# Altium PCB Accumulator Management.PcbDoc (part 1 of 2) (continued)
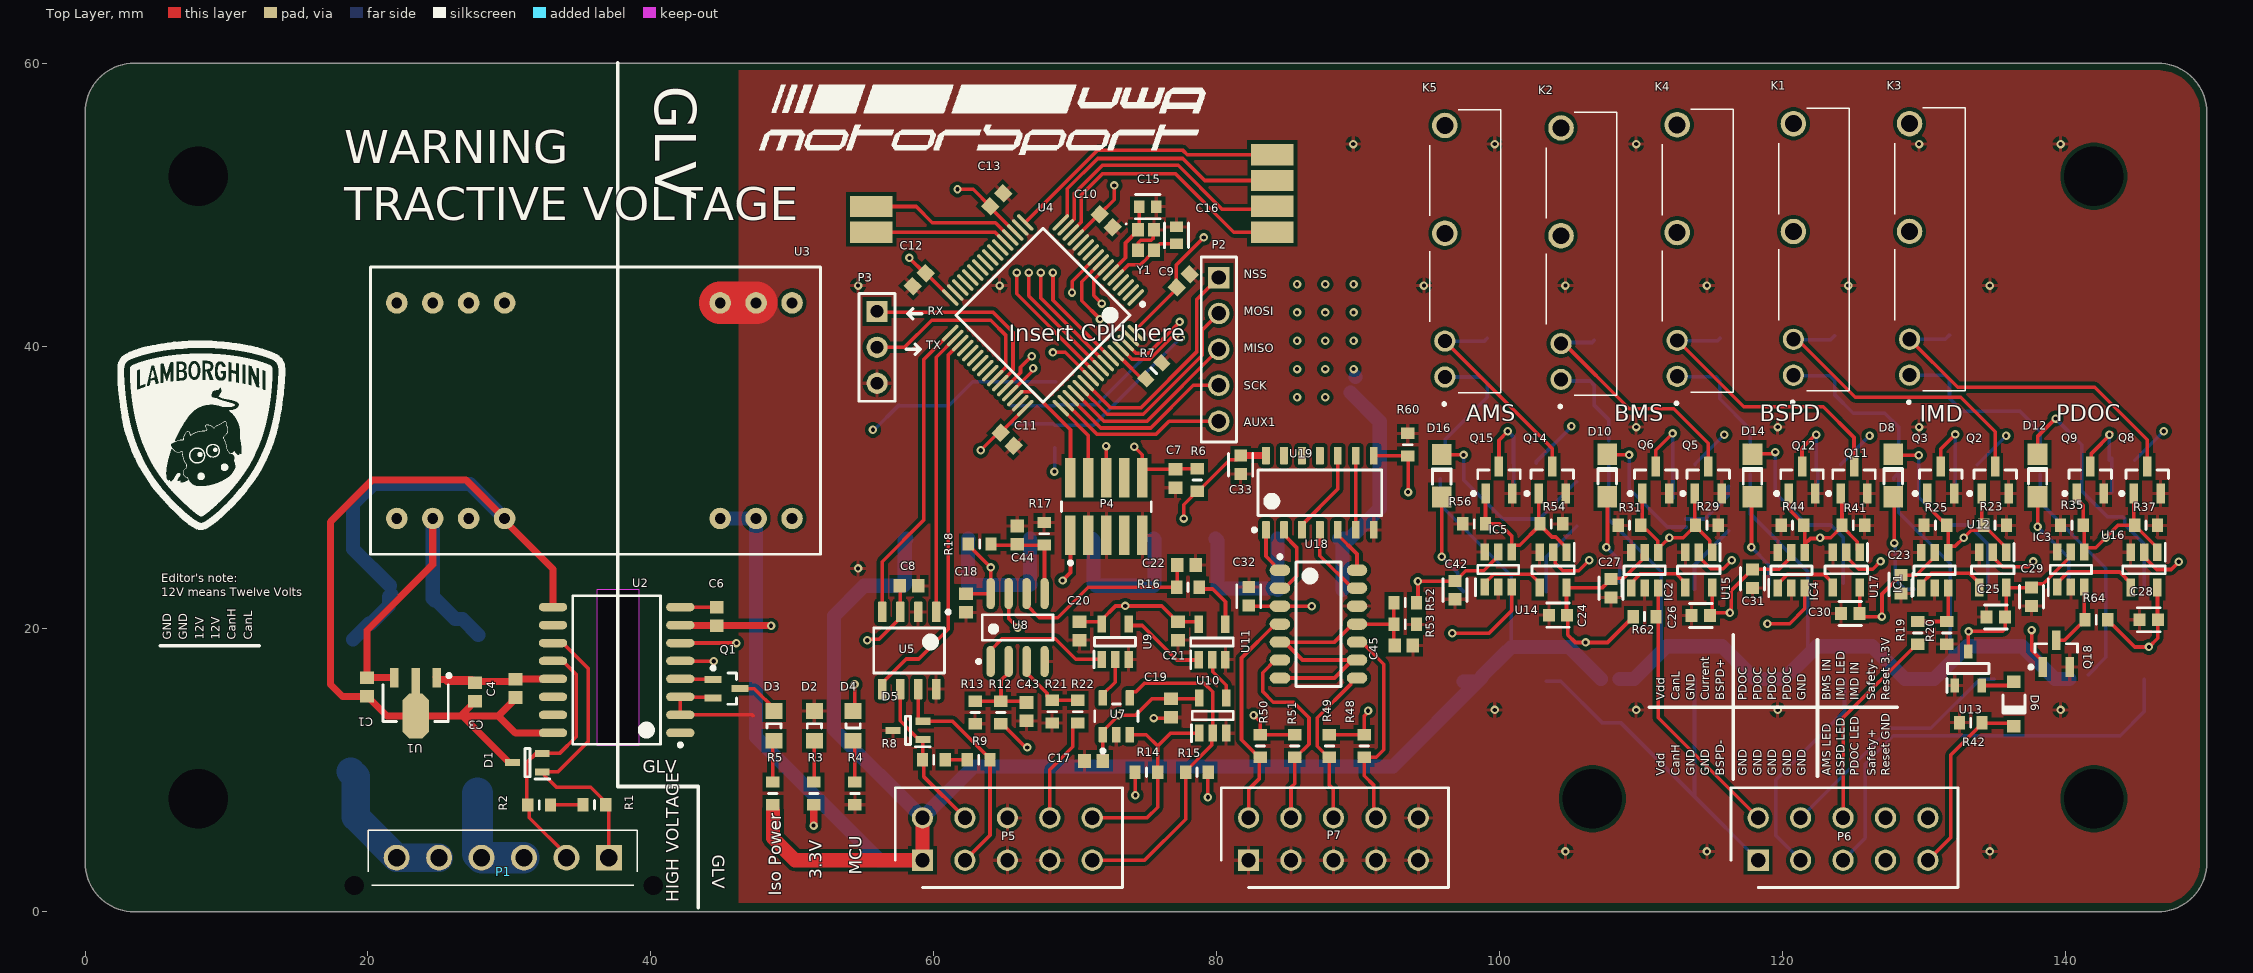
[diagram p0: Top Layer view]
## Components (designator, comment, footprint, x,y, rotation, side; value= is the part's Value field where it differs from the comment)
C1 "Cap" CAPC1608X95N 19.925,15.9 r90 top value=1uF
C2 "Cap" CAPC1608X95N 23.1,22.425 r180 bottom value=4.7uF
C3 "NP0" CAPC1608X95N 27.575,15.55 r270 top value=1uF
C4 "NP0" CAPC1608X95N 30.43,15.806 r270 top value=0.47uF
C5 "Cap" CAPC1608X95N 48.075,24.525 r0 bottom value=4.7uF
C6 "NP0" CAPC1608X95N 44.655,20.881 r90 top value=0.47uF
C7 "Cap" CAPC1608X95N 77.075,30.63 r90 top value=0.1uf
C8 "NP0" CAPC1608X95N 58.25,23.05 r180 top value=0.1uF
C9 "NP0" CAPC1608X95N 77.625,44.6 r225 top value=0.1uF
C10 "NP0" CAPC1608X95N 72.175,48.85 r135 top value=0.1uF
C11 "NP0" CAPC1608X95N 65.175,33.4 r135 top value=0.1uF
C12 "NP0" CAPC1608X95N 58.975,44.7 r45 top value=0.1uF
C13 "NP0" CAPC1608X95N 64.45,50.325 r225 top value=0.1uF
C14 "Cap" CAPC1608X95N 57.55,35.15 r90 bottom value=0.1uf
C15 "15pF" FP-C0603C-CF-MFG 75.125,49.85 r0 top value="15 pF"
C16 "15pF" FP-C0603C-CF-MFG 77.15,47.825 r90 top value="15 pF"
C17 "Cap" CAPC1608X95N 71.3,10.675 r0 top value=0.1uf
C18 "Cap" CAPC1608X95N 62.267,21.827 r90 top value=0.1uf
C19 "Cap" CAPC1608X95N 76.767,14.402 r90 top value=0.1uf
C20 "Cap" CAPC1608X95N 70.292,19.857 r90 top value=0.1uf
C21 "Cap" CAPC1608X95N 77.267,19.857 r90 top value=0.1uf
C22 "Cap" CAPC1608X95N 77.861,24.527 r180 top value=0.1uf
C23 "0.1uF" FP-C0603-CJ-MFG 128.375,23.15 r90 top value=100nF
C24 "0.1uF" FP-C0603-CJ-MFG 104.125,20.975 r0 top value=100nF
C25 "0.1uF" FP-C0603-CJ-MFG 135.075,20.85 r0 top value=100nF
C26 "0.1uF" FP-C0603-CJ-MFG 114.225,20.95 r0 top value=100nF
C27 "0.1uF" FP-C0603-CJ-MFG 107.875,22.875 r90 top value=100nF
C28 "0.1uF" FP-C0603-CJ-MFG 145.875,20.65 r0 top value=100nF
C29 "0.1uF" FP-C0603-CJ-MFG 137.6,22.275 r90 top value=100nF
C30 "0.1uF" FP-C0603-CJ-MFG 124.777,21.1 r0 top value=100nF
C31 "0.1uF" FP-C0603-CJ-MFG 117.875,23.55 r90 top value=100nF
C32 "0.1uF" FP-C0603-CJ-MFG 82.267,22.302 r90 top value=100nF
C33 "0.1uF" FP-C0603-CJ-MFG 81.692,31.602 r90 top value=100nF
C34 "0.47uF" CAPC1210(3225)210_M 58.062,27.975 r270 bottom value=10uF
C35 "0.47uF" CAPC1210(3225)210_M 66.805,27.975 r270 bottom value=10uF
C36 "0.47uF" CAPC1210(3225)210_M 75.548,27.975 r270 bottom value=10uF
C37 "0.47uF" CAPC1210(3225)210_M 84.292,27.975 r270 bottom value=10uF
C38 "NP" CAPC1210(3225)210_M 62.433,27.975 r270 bottom value=10uF
C39 "NP" CAPC1210(3225)210_M 71.177,27.975 r270 bottom value=10uF
C40 "NP" CAPC1210(3225)210_M 79.92,27.975 r270 bottom value=10uF
C41 "10uF" CAPC1210(3225)210_M 88.663,27.975 r270 bottom
C42 "0.1uF" FP-C0603-CJ-MFG 96.85,22.75 r90 top value=100nF
C43 "Cap" CAPC1608X95N 66.565,14.15 r90 top value=0.1uf
C44 "Cap" CAPC1608X95N 65.9,26.625 r270 top value=0.1uf
C45 "Cap" CAPC1608X95N 93.22,18.825 r180 top value=0.1uf
D1 "ESDCAN03-2BWY" SOT65P210X110-3N 31.275,10.55 r180 top
D2 "Green" 0805_A 51.55,13.15 r270 top
D3 "RED" 0805_A 48.7,13.15 r270 top
D4 "Green" 0805_A 54.3,13.15 r90 top
D5 "ESD" SOT65P210X110-3N 58.175,12.825 r180 top
D6 "1N4148" DIOD-SOD123-2_V 136.35,14.7 r270 top
D7 "1N4148" DIOD-SOD123-2_V 123.675,39.152 r270 bottom
D8 "LED" 1206_A 127.825,30.85 r270 top
D9 "1N4148" DIOD-SOD123-2_V 106.675,38.825 r270 bottom
D10 "LED" 1206_A 107.6,30.85 r270 top
D11 "1N4148" DIOD-SOD123-2_V 131.8,39.2 r270 bottom
D12 "LED" 1206_A 138.025,30.85 r270 top
D13 "1N4148" DIOD-SOD123-2_V 115.55,39.125 r270 bottom
D14 "LED" 1206_A 117.875,30.85 r270 top
D15 "1N4148" DIOD-SOD123-2_V 99.125,38.975 r270 bottom
D16 "LED" 1206_A 95.9,30.825 r270 top
D17 "1N4148" DIOD-SOD123-2_V 116.2,28.525 r90 bottom
D18 "1N4148" DIOD-SOD123-2_V 105.45,28.825 r90 bottom
F1 "FUSE-GENERIC" "HF461 Fuse" 27.8,14.9 r90 bottom
F2 "FUSE-GENERIC" "HF461 Fuse" 18.95,14.575 r90 bottom
IC1 "74LVC1G373DBVRE4" SOT95P280X145-6N 130.75,24.15 r90 top
IC2 "74LVC1G373DBVRE4" SOT95P280X145-6N 110.25,24.15 r90 top
IC3 "74LVC1G373DBVRE4" SOT95P280X145-6N 140.375,24.2 r90 top
IC4 "74LVC1G373DBVRE4" SOT95P280X145-6N 120.625,24.15 r90 top
IC5 "74LVC1G373DBVRE4" SOT95P280X145-6N 99.9,24.2 r90 top
K1 "PCN-112D3MHZ" PCN-112D3MHZ 119.594,24.676 r90 top
K2 "PCN-112D3MHZ" PCN-112D3MHZ 103.169,24.376 r90 top
K3 "PCN-112D3MHZ" PCN-112D3MHZ 127.807,24.681 r90 top
K4 "PCN-112D3MHZ" PCN-112D3MHZ 111.382,24.601 r90 top
K5 "PCN-112D3MHZ" PCN-112D3MHZ 94.957,24.551 r90 top
P1 "2-1445093-6" 214450936 19.03,3.83 r0 top
P2 "MTLW-105-05-T-S-190" SMTC-MTLW-105-05-X-S-190 80.15,44.842 r270 top
P3 "UART" HDR1X3 55.991,42.45 r270 top value=-
P4 "FTSH-105-01-F-DV-K" SMTC-FTSH-105-01-L-DV-K_V 72.2,28.65 r0 top
P5 "4-794632-0" SHDR10W82P300_2X5_1586X686X944P 59.2,3.65 r0 top
P6 "4-794632-0" SHDR10W82P300_2X5_1586X686X944P 118.275,3.65 r0 top
P7 "4-794632-0" SHDR10W82P300_2X5_1586X686X944P 82.25,3.65 r0 top
Q1 "BC848W" SOT323_N 45.355,15.781 r0 top
Q2 "BSS138BK,215" NXP-SOT23_N 135.025,30.525 r90 top
Q3 "BSS138BK,215" NXP-SOT23_N 131.175,30.525 r90 top
Q4 "BSS138BK,215" NXP-SOT23_N 133.125,28.725 r270 bottom
Q5 "BSS138BK,215" NXP-SOT23_N 114.75,30.525 r90 top
Q6 "BSS138BK,215" NXP-SOT23_N 111.025,30.525 r90 top
Q7 "BSS138BK,215" NXP-SOT23_N 113.175,28.725 r270 bottom
Q8 "BSS138BK,215" NXP-SOT23_N 145.775,30.525 r90 top
Q9 "BSS138BK,215" NXP-SOT23_N 141.75,30.525 r90 top
Q10 "BSS138BK,215" NXP-SOT23_N 144.2,28.725 r270 bottom
Q11 "BSS138BK,215" NXP-SOT23_N 125.05,30.525 r90 top
Q12 "BSS138BK,215" NXP-SOT23_N 121.375,30.525 r90 top
Q13 "BSS138BK,215" NXP-SOT23_N 123.375,28.725 r270 bottom
Q14 "BSS138BK,215" NXP-SOT23_N 103.725,30.525 r90 top
Q15 "BSS138BK,215" NXP-SOT23_N 99.95,30.525 r90 top
Q16 "BSS138BK,215" NXP-SOT23_N 101.95,28.725 r270 bottom
Q18 "BSS138BK,215" NXP-SOT23_N 139.35,18.25 r90 top
R1 "Res1" RESC1608X55N 36.005,7.581 r0 top value=60.4R
R2 "Res1" RESC1608X55N 32.105,7.556 r0 top value=60.4R
R3 "Res3" RESC1608X55N 51.525,8.375 r90 top value=680R
R4 "680R" RESC1608X55N 54.425,8.375 r270 top
R5 "Res3" RESC1608X55N 48.625,8.375 r90 top value=680R
R6 "10k" RESC1608X55N 78.625,30.525 r90 top
R7 "Res1" RESC1608X55N 75.55,38.25 r225 top value=10k
R8 "Res1" RESC1608X55N 60,10.75 r180 top value=60.4R
R9 "Res1" RESC1608X55N 63.175,10.75 r180 top value=60.4R
R10 "Res1" RESC1608X55N 68.6,36.68 r90 bottom value=1.5k
R11 "Res1" RESC1608X55N 68.55,33.61 r270 bottom value=1.5k
R12 "Res1" RESC1608X55N 64.737,14.1 r270 top value=7k
R13 "Res1" RESC1608X55N 62.925,14.1 r90 top value=10k
R14 "Res1" RESC1608X55N 75.025,9.875 r180 top value=10k
R15 "Res1" RESC1608X55N 78.6,9.875 r0 top value=10k
R16 "Res1" RESC1608X55N 77.966,22.952 r0 top value=220K
R17 "Res1" RESC1608X55N 67.797,26.73 r270 top value=36.5K
R18 "Res1" RESC1608X55N 63.245,26.005 r180 top value=36.5K
R19 "Res1" RESC1608X55N 129.55,19.725 r270 top value=1.78k
R20 "Res1" RESC1608X55N 131.6,19.725 r90 top value=420R
R21 "Res1" RESC1608X55N 68.362,14.15 r90 top value=10k
R22 "Res1" RESC1608X55N 70.175,14.15 r270 top value=5k
R23 "10k" RESC1608X55N 135.025,27.325 r180 top
R24 "500R" RESC1608X55N 128.2,31.75 r270 bottom
R25 "10k" RESC1608X55N 130.8,27.325 r0 top
R26 "10k" RESC1608X55N 132.95,31.6 r0 bottom
R27 "CRCW2512649RFKEG" Resistor__E2512 129.675,19.625 r270 bottom
R28 "CRCW2512649RFKEG" Resistor__E2512 134.975,19.625 r270 bottom
R29 "10k" RESC1608X55N 114.65,27.325 r180 top
R30 "500R" RESC1608X55N 107.7,32.5 r270 bottom
R31 "10k" RESC1608X55N 109.175,27.325 r0 top
R32 "10k" RESC1608X55N 113.025,31.6 r0 bottom
R33 "CRCW2512649RFKEG" Resistor__E2512 108.475,19.625 r270 bottom
R34 "CRCW2512649RFKEG" Resistor__E2512 113.775,19.625 r270 bottom
R35 "10k" RESC1608X55N 140.45,27.325 r0 top
R36 "500R" RESC1608X55N 138.2,31.75 r270 bottom
R37 "10k" RESC1608X55N 145.7,27.325 r180 top
R38 "10k" RESC1608X55N 144.1,31.925 r0 bottom
R39 "CRCW2512649RFKEG" Resistor__E2512 140.275,19.625 r270 bottom
R40 "CRCW2512649RFKEG" Resistor__E2512 145.575,19.625 r270 bottom
R41 "10k" RESC1608X55N 125,27.325 r180 top
R42 "10k" RESC1608X55N 133.3,13.375 r0 top
R43 "500R" RESC1608X55N 117.725,31.75 r270 bottom
R44 "10k" RESC1608X55N 120.7,27.325 r0 top
R45 "10k" RESC1608X55N 123.3,31.6 r0 bottom
R46 "CRCW2512649RFKEG" Resistor__E2512 119.075,19.625 r270 bottom
R47 "CRCW2512649RFKEG" Resistor__E2512 124.375,19.625 r270 bottom
R48 "1.58k" RESC1608X55N 90.417,11.727 r90 top
R49 "1.58k" RESC1608X55N 87.967,11.727 r90 top
R50 "1.58k" RESC1608X55N 83.067,11.727 r90 top
R51 "1.58k" RESC1608X55N 85.517,11.727 r90 top
R52 "10k" RESC1608X55N 93.325,21.867 r0 top
R53 "10k" RESC1608X55N 93.325,20.325 r180 top
R54 "10k" RESC1608X55N 103.65,27.425 r180 top
R55 "500R" RESC1608X55N 95.8,31.4 r270 bottom
R56 "10k" RESC1608X55N 98.2,27.425 r0 top
R57 "10k" RESC1608X55N 101.775,31.725 r0 bottom
R58 "CRCW2512649RFKEG" Resistor__E2512 97.438,19.473 r270 bottom
R59 "CRCW2512649RFKEG" Resistor__E2512 103.289,19.473 r270 bottom
R60 "10k" RESC1608X55N 93.5,33.025 r270 top
R62 "10k" RESC1608X55N 110.25,20.875 r180 top
R64 "10k" RESC1608X55N 142.175,20.65 r0 top
U1 "LD2981CU50TR" SOT89N 23.375,14.75 r270 top value=-
U2 "ADM3054" SOIC-OE16_L 37.58,17.101 r180 top
U3 "EC4A02HS" EC4A 36.08,35.431 r270 top
U4 "STM32F105R8T6" STM-LQFP64_L 67.725,42.175 r225 top
U5 "SN65HVD233D" D0008A_N 58.26,18.475 r270 top
U6 "PCT2075D,118" NXP-SOT96-1_N 62.925,33.875 r180 bottom
U7 "SN65LVDT2DBVT" FP-DBV0005A-MFG 72.9,13.825 r90 top
U8 "MCP6542-I/SN" SOIC-SN8_N 65.922,20.102 r90 top
U9 "SN74LVC1G08MDBVREP" SOT95P280X145-5N 72.817,19.102 r90 top
U10 "NC7SZ00M5X" SOT95P280X125-5N 79.717,13.879 r90 top
U11 "NC7S32M5X" SOT95P275X110-5N 79.667,19.077 r90 top
U12 "NC7S32M5X" SOT95P275X110-5N 134.85,24.175 r270 top
U13 "MAX810STRG" SOT96P237X111-3N 133.125,17.2 r90 top
U14 "NC7S32M5X" SOT95P275X110-5N 103.775,24.175 r270 top
U15 "NC7S32M5X" SOT95P275X110-5N 114.075,24.175 r270 top
U16 "NC7S32M5X" SOT95P275X110-5N 145.55,24.175 r270 top
U17 "NC7S32M5X" SOT95P275X110-5N 124.5,24.175 r270 top
U18 "TLC3704QDRG4Q1" SOIC14 87.192,20.342 r0 top
U19 "SN74HC7032D" D0014A_L 87.292,29.627 r90 top
U20 "MC7812CDTRKG" FP-369C-MFG 60.125,18.75 r0 bottom
U21 "MC78M09CDTG" FP-369C-MFG 69.1,18.85 r0 bottom
U22 "MC78M05CDTRKG" FP-369C-MFG 77.925,18.65 r0 bottom
U23 "MC33269DTRK-3.3G" FP-369C-MFG 86.6,18.475 r0 bottom
Y1 "2SMX" FA128320000MF10ZAJ5 74.998,47.488 r270 top

## Footprints (in the part's own frame and the unit in brackets; to place one, negate y for a bottom-side part, rotate by r counter-clockwise, add the part's x,y. Pads: shape width x height; smd on the part's side, far side on the other; paste and mask are expansions set on the pad)
0805_A [mm] "Chip LED, 2-Leads, Body 2.0x1.3mm, IPC Medium Density"
  rect 1.1x1.2 smd: 1(-1.05,0) 2(1.05,0)
  silkscreen extent -0.15,-0.5 0.15,0.5, body extent -1,-0.62 1,0.63, height 0.68
1206_A [mm] "Chip LED, 2-Leads, Body 3.2x1.6mm, IPC Medium Density"
  rect 1.5x1.4 smd: 1(-1.5,0) 2(1.5,0)
  silkscreen extent -0.5,-0.67 0.6,0.65, body extent -1.6,-0.8 1.6,0.8, height 0.68
214450936 [mm]
  rect 1.83x1.83 hole 1.22: 1(18,0)
  round 1.83 hole 1.22: 2(15,0) 3(12,0) 4(9,0) 5(6,0) 6(3,0)
  round 0.675 hole 1.35 unplated: MH1(21.14,-1.96) MH2(0,-1.96)
  silkscreen extent 1,-1.93 20,1.93, body extent -0.4,-2.53 21.4,3.14, height 9.09
CAPC1210(3225)210_M [mm] "Chip Capacitor, Body 3.2x2.5mm, Height 2.1mm, IPC Low Density"
  rect 1.35x2.8 smd: 1(-1.6,0) 2(1.6,0)
  silkscreen extent -0.55,-1.3 0.55,1.3, body extent -1.7,-1.35 1.7,1.35, height 2.1
CAPC1608X95N [mm]
  rect 0.89x0.98 smd: 1(-0.65,0) 2(0.65,0)
  body extent -0.8,-0.4 0.8,0.4, height 0.95
D0008A_N [mm] "SOIC, 8-Leads, Body 5x4mm, Pitch 1.27mm, IPC Medium Density"
  rrect17% 1.45x0.6 smd: 1(-2.725,1.905) 2(-2.725,0.635) 3(-2.725,-0.635) 4(-2.725,-1.905) 5(2.725,-1.905) 6(2.725,-0.635) 7(2.725,0.635) 8(2.725,1.905)
  silkscreen extent -2.85,-2.5 1.6,2.88, body extent -3,-2.45 3,2.45, height 1.63
D0014A_L [mm] "SOIC, 14-Leads, Body 8.75x4mm, Pitch 1.27mm, IPC High Density"
  rrect18% 1.25x0.55 smd: 1(-2.625,3.81) 2(-2.625,2.54) 3(-2.625,1.27) 4(-2.625,0) 5(-2.625,-1.27) 6(-2.625,-2.54) 7(-2.625,-3.81) 8(2.625,-3.81) 9(2.625,-2.54) 10(2.625,-1.27) 11(2.625,0) 12(2.625,1.27) 13(2.625,2.54) 14(2.625,3.81)
  silkscreen extent -2.75,-4.38 1.6,4.76, body extent -3.02,-4.32 3.02,4.32, height 1.59
DIOD-SOD123-2_V [mm] "SOD123, 2-Leads, Body 2.7x1.55mm, Height 1.45mm"
  rect 0.9x0.95 smd: 1(-1.575,0) 2(1.575,0)
  silkscreen extent -0.64,-0.83 0.64,0.77, body extent -1.35,-0.77 1.35,0.77, height 1.45
EC4A [mil]
  round 60 hole 30: 1(-300,547.24) 2(-300,447.24) 3(-300,347.24) 9(-300,-252.76) 10(-300,-352.76) 11(-300,-452.76) 12(-300,-552.76) 13(300,-552.76) 14(300,-452.76) 15(300,-352.76) 16(300,-252.76) 22(300,347.24) 23(300,447.24) 24(300,547.24)
  silkscreen extent -400,-626 400,626, body extent -400,-625 400,625, height 402
FA128320000MF10ZAJ5 [mm]
  rect 0.95x0.85 smd: 1(-0.725,-0.575) 2(0.725,-0.575) 3(0.725,0.575) 4(-0.725,0.575)
  silkscreen extent -1.2,-1.45 -1.1,-1.35, body extent -1.11,-0.91 1.11,0.91, height 0.6
FP-369C-MFG [mm]
  rect 1.6x3 smd paste+0 mask+0: 1(-2.285,-4.3) 3(2.285,-4.3)
  rect 5.8x6.2 smd paste+0 mask+0: 4(0,2.79)
  silkscreen extent -3.36,-2.28 3.36,3.94, body extent -3.27,-4.95 3.27,4.95, height 2.51
FP-C0603-CJ-MFG [mm]
  rect 0.85x0.9 smd paste+0 mask+0: 1(-0.65,0) 2(0.65,0)
  silkscreen extent -0.8,-0.85 0.8,0.85, body extent -1.2,-0.6 1.2,0.6, height 0.25
FP-C0603C-CF-MFG [mm]
  rect 0.75x0.9 smd paste+0 mask+0: 1(-0.6,0) 2(0.6,0)
  silkscreen extent -0.87,-0.85 0.88,0.85, body extent -1.2,-0.6 1.2,0.6, height 0.25
FP-DBV0005A-MFG [mm]
  rrect17% 1.1x0.6 smd paste+0 mask+0: 1(-1.3,0.95) 2(-1.3,0) 3(-1.3,-0.95) 4(1.3,-0.95) 5(1.3,0.95)
  silkscreen extent -2.57,-1.53 0.87,1.53, body extent -1.95,-1.78 1.95,1.78, height 0.25
HDR1X3 [mm] "Connector; Header; 3 Position"
  rect 1.5x1.5 hole 0.9: 1(0,0)
  round 1.5 hole 0.9: 2(2.54,0) 3(5.08,0)
  silkscreen extent -1.27,-1.27 6.35,1.27
"HF461 Fuse" [mm] "LittleFuse"
  rect 3.25x3.43 smd: 1(-4.675,0) 2(4.675,0)
  body extent -4.83,-1.65 4.67,1.65, height 3.12
NXP-SOT23_N [mm] "SOT23, 3-Leads, Body 3x1.4mm, Pitch 0.95mm, IPC Medium Density"
  rect 1.4x0.6 smd: 1(-0.95,0.95) 2(-0.95,-0.95) 3(0.95,0)
  silkscreen extent -1.07,-1.5 0.7,1.92, body extent -0.7,-1.5 0.7,1.5, height 1.1
NXP-SOT96-1_N [mm] "SOIC, 8-Leads, Body 5x4mm, Pitch 1.27mm, IPC Medium Density"
  oval 1.95x0.6 smd: 1(-2.55,1.905) 2(-2.55,0.635) 3(-2.55,-0.635) 4(-2.55,-1.905) 5(2.55,-1.905) 6(2.55,-0.635) 7(2.55,0.635) 8(2.55,1.905)
  silkscreen extent -2.68,-2.5 1.17,2.88, body extent -2,-2.5 2,2.5, height 1.75
PCN-112D3MHZ [mm]
  round 1.8 hole 1.2: 11(31.039,-1.168) 14(23.419,-1.168)
  round 1.5 hole 1: A1(13.259,-1.168) A2(15.799,-1.168)
  silkscreen extent 11.25,-5.12 32.15,-0.12, body extent 12.15,-5.12 32.15,-0.12, height 12.6
RESC1608X55N [mm]
  rect 0.8x0.95 smd: 1(-0.8,0) 2(0.8,0)
  silkscreen extent 0,-0.3 0,0.3, body extent -0.8,-0.4 0.8,0.4, height 0.55
Resistor__E2512 [mm]
  rect 1.6x3.65 smd: 1(-3.175,0) 2(3.175,0)
  silkscreen extent -4.28,-2.12 4.33,2.12, body extent -3.15,-1.58 3.15,1.58, height 0.7
SHDR10W82P300_2X5_1586X686X944P [mm]
  rect 1.5x1.5 hole 1: 1(0,0)
  round 1.5 hole 1: 2(0,3) 3(3,0) 4(3,3) 5(6,0) 6(6,3) 7(9,0) 8(9,3) 9(12,0) 10(12,3)
  silkscreen extent -1.93,-1.93 14.13,5.13, body extent -3.53,-2.46 15.47,6.21, height 8.88
SMTC-FTSH-105-01-L-DV-K_V [mm] "CONN, 10-Leads, Body 6.35x3.43mm, Pitch 1.27mm"
  rect 0.74x2.79 smd: 1(-2.54,-2.035) 2(-2.54,2.035) 3(-1.27,-2.035) 4(-1.27,2.035) 5(0,-2.035) 6(0,2.035) 7(1.27,-2.035) 8(1.27,2.035) 9(2.54,-2.035) 10(2.54,2.035)
  silkscreen extent -3.17,-4.1 3.17,0.34, body extent -3.17,-2.92 3.18,2.92, height 6.12
SMTC-MTLW-105-05-X-S-190 [mm] "Terminal Assembly, 1x5 Pins, Vertical, 2.54mm Pitch, Male"
  rect 1.52x1.52 hole 1.02: 1(0,0)
  round 1.52 hole 1.02: 2(2.54,0) 3(5.08,0) 4(7.62,0) 5(10.16,0)
  silkscreen extent -1.46,-1.24 11.62,1.24, body extent -1.27,-1.24 11.43,1.24, height 6.35
SOIC14 [mm] "SOIC, 14-Leads, Body 8.65x3.90mm, Pitch 1.27mm, IPC Medium Density"
  oval 1.45x0.8 smd: 1(-2.725,3.81) 2(-2.725,2.54) 3(-2.725,1.27) 4(-2.725,0) 5(-2.725,-1.27) 6(-2.725,-2.54) 7(-2.725,-3.81) 8(2.725,-3.81) 9(2.725,-2.54) 10(2.725,-1.27) 11(2.725,0) 12(2.725,1.27) 13(2.725,2.54) 14(2.725,3.81)
  silkscreen extent -2.85,-4.4 1.6,4.88, body extent -3.1,-4.4 3.1,4.4, height 1.76
SOIC-OE16_L [mm] "SOIC, 16-Leads, Body 10.3x7.5mm, Pitch 1.27mm, IPC High Density"
  oval 2x0.6 smd: 1(-4.5,4.445) 2(-4.5,3.175) 3(-4.5,1.905) 4(-4.5,0.635) 5(-4.5,-0.635) 6(-4.5,-1.905) 7(-4.5,-3.175) 8(-4.5,-4.445) 9(4.5,-4.445) 10(4.5,-3.175) 11(4.5,-1.905) 12(4.5,-0.635) 13(4.5,0.635) 14(4.5,1.905) 15(4.5,3.175) 16(4.5,4.445)
  silkscreen extent -4.62,-5.25 3.1,5.42, body extent -3.8,-5.25 3.8,5.25, height 2.65
SOIC-SN8_N [mm] "SOIC, 8-Leads, Body 4.9x3.9mm, Pitch 1.27mm, IPC Medium Density"
  oval 2.2x0.6 smd: 1(-2.4,1.905) 2(-2.4,0.635) 3(-2.4,-0.635) 4(-2.4,-1.905) 5(2.4,-1.905) 6(2.4,-0.635) 7(2.4,0.635) 8(2.4,1.905)
  silkscreen extent -2.52,-2.5 0.9,2.88, body extent -2,-2.5 2,2.5, height 1.75
SOT65P210X110-3N [mm]
  rect 1.05x0.5 smd: 1(-1.05,0.65) 2(-1.05,-0.65) 3(1.05,0)
  silkscreen extent -1.58,-1 0.18,1.15, body extent -1.05,-1 1.05,1, height 1.1
SOT89N [mm] "SOT89, 3-Leads, Body 4.5x2.4 mm, Pitch 1.5mm, Lead Span 4.1mm, IPC Medium Density"
  rect 1.4x0.6 smd: 1(-1.8,1.5) 3(-1.8,-1.5)
  rect 1.8x0.6 smd: 2(-1.6,0)
  oct 3.2x1.9 smd: 2(0.9,0)
  silkscreen extent -2.07,-2.3 1.3,2.48, body extent -1.3,-2.3 1.3,2.3, height 1.6
SOT95P275X110-5N [mm]
  rect 1.25x0.6 smd: 1(-1.25,0.95) 2(-1.25,0) 3(-1.25,-0.95) 4(1.25,-0.95) 5(1.25,0.95)
  silkscreen extent -1.88,-1.5 0.28,1.5, body extent -1.38,-1.5 1.38,1.5, height 1.1
SOT95P280X125-5N [mm]
  rect 1.2x0.6 smd: 1(-1.25,0.95) 2(-1.25,0) 3(-1.25,-0.95) 4(1.25,-0.95) 5(1.25,0.95)
  silkscreen extent -1.85,-1.45 0.3,1.5, body extent -1.4,-1.45 1.4,1.45, height 1.25
SOT95P280X145-5N [mm]
  rect 1.2x0.6 smd: 1(-1.25,0.95) 2(-1.25,0) 3(-1.25,-0.95) 4(1.25,-0.95) 5(1.25,0.95)
  silkscreen extent -1.85,-1.45 0.3,1.5, body extent -1.4,-1.45 1.4,1.45, height 1.45
SOT95P280X145-6N [mm]
  rect 1.2x0.6 smd: 1(-1.25,0.95) 2(-1.25,0) 3(-1.25,-0.95) 4(1.25,-0.95) 5(1.25,0) 6(1.25,0.95)
  silkscreen extent -1.85,-1.45 0.3,1.6, body extent -1.4,-1.45 1.4,1.45, height 1.45
SOT96P237X111-3N [mm]
  rect 1x0.6 smd: 1(-1.2,0.955) 2(-1.2,-0.955) 3(1.2,0)
  silkscreen extent -1.7,-1.46 0.35,1.51, body extent -1.18,-1.46 1.18,1.46, height 1.11
SOT323_N [mm] "SOT323, 3-Leads, Body 2.0x1.3mm, Pitch 0.65mm, Lead Span 2.1mm, IPC Medium Density"
  rect 1.2x0.5 smd: 1(-0.95,0.65) 2(-0.95,-0.65) 3(0.95,0)
  silkscreen extent -1.07,-1.1 0.7,1.57, body extent -0.7,-1.1 0.7,1.1, height 1.1
STM-LQFP64_L [mm] "Thin QFP, 64-Leads, Body 10x10mm, Pitch 0.5mm, IPC High Density"
  oval 1.55x0.25 smd: 1(-5.525,3.75) 2(-5.525,3.25) 3(-5.525,2.75) 4(-5.525,2.25) 5(-5.525,1.75) 6(-5.525,1.25) 7(-5.525,0.75) 8(-5.525,0.25) 9(-5.525,-0.25) 10(-5.525,-0.75) 11(-5.525,-1.25) 12(-5.525,-1.75) 13(-5.525,-2.25) 14(-5.525,-2.75) 15(-5.525,-3.25) 16(-5.525,-3.75) 33(5.525,-3.75) 34(5.525,-3.25) 35(5.525,-2.75) 36(5.525,-2.25) 37(5.525,-1.75) 38(5.525,-1.25) 39(5.525,-0.75) 40(5.525,-0.25) 41(5.525,0.25) 42(5.525,0.75) 43(5.525,1.25) 44(5.525,1.75) 45(5.525,2.25) 46(5.525,2.75) 47(5.525,3.25) 48(5.525,3.75)
  oval 0.25x1.55 smd: 17(-3.75,-5.525) 18(-3.25,-5.525) 19(-2.75,-5.525) 20(-2.25,-5.525) 21(-1.75,-5.525) 22(-1.25,-5.525) 23(-0.75,-5.525) 24(-0.25,-5.525) 25(0.25,-5.525) 26(0.75,-5.525) 27(1.25,-5.525) 28(1.75,-5.525) 29(2.25,-5.525) 30(2.75,-5.525) 31(3.25,-5.525) 32(3.75,-5.525) 49(3.75,5.525) 50(3.25,5.525) 51(2.75,5.525) 52(2.25,5.525) 53(1.75,5.525) 54(1.25,5.525) 55(0.75,5.525) 56(0.25,5.525) 57(-0.25,5.525) 58(-0.75,5.525) 59(-1.25,5.525) 60(-1.75,5.525) 61(-2.25,5.525) 62(-2.75,5.525) 63(-3.25,5.525) 64(-3.75,5.525)
  silkscreen extent -5.65,-4.35 4.35,4.55, body extent -5,-5 5,5, height 1.6

## Part data
C1 C7 C14 C17 C18 C19 C20 C21 C22 C43 C44 C45: "264-4630", LatestRevisionDate=17-Jul-2002, LatestRevisionNote="Re-released for DXP Platform.", PackageDescription="Radial Cap, Thru-Hole; 2 Leads; 0.3 in Pin Spacing", PackageReference=RAD-0.3, Published=8-Jun-2000, Publisher="Altium Limited"
C2 C5: "691-1228", LatestRevisionDate=17-Jul-2002, LatestRevisionNote="Re-released for DXP Platform.", PackageDescription="Radial Cap, Thru-Hole; 2 Leads; 0.3 in Pin Spacing", PackageReference=RAD-0.3, Published=8-Jun-2000, Publisher="Altium Limited"
C3 C4 C6: library part Cap, "884-7175", LatestRevisionDate=17-Jul-2002, LatestRevisionNote="Re-released for DXP Platform.", PackageDescription="Radial Cap, Thru-Hole; 2 Leads; 0.3 in Pin Spacing", PackageReference=RAD-0.3, Published=8-Jun-2000, Publisher="Altium Limited"
C8 C9 C10 C11 C12 C13: library part Cap, "135-6511", LatestRevisionDate=17-Jul-2002, LatestRevisionNote="Re-released for DXP Platform.", PackageDescription="Radial Cap, Thru-Hole; 2 Leads; 0.3 in Pin Spacing", PackageReference=RAD-0.3, Published=8-Jun-2000, Publisher="Altium Limited"
C15 C16: library part CMP-2006-03309-3, "CAP CER 15PF 50V C0G/NP0 0603 / C0603C150J5GACTU", Capacitance="15 pF", Manufacturer=KEMET, Manufacturer Part Number=C0603C150J5GACTU, Package=C0603C-CF, Temperature="-55°C to +125°C", Temperature Characteristic=C0G, Temperature Coefficient=30ppm/°C, Temperature Range High=+125°C, Temperature Range Low=-55°C, Tolerance=0.05, Voltage Rating="50 V", Automotive=Yes, Automotive Grade="Grade 1", Category=Cap, ComponentLink2Description=Datasheet, ComponentLink2URL=https://api.kemet.com/component-edge/download/datasheet/C0603C100J5GACAUTO.pdf, Device Class L1="Passive Components", Device Class L2=Capacitors, Device Class L3="Ceramic Capacitors", Digikey Description="CAP CER 15PF 50V C0G/NP0 0603", Height=0.87mm, Lead Free=Yes, Material=Ceramic, Mouser Description="Multilayer Ceramic Capacitors (MLCC) - SMD/SMT 50volts 15pF C0G 5%", Octopart=https://octopart.com/c0603c150j5gactu-kemet-136057, RoHS=TRUE
C23 C24 C25 C26 C27 C28 C29 C30 C31 C32 C33 C42: library part CMP-2006-03300-2, "CAP CER 0.1UF 50V X7R 0603", Capacitance=100nF, Manufacturer=Kemet, Manufacturer Part Number=C0603X104K5RACTU, Package=C0603-CJ, Temperature="-55°C to +125°C", Temperature Characteristic=X7R, Temperature Coefficient=15%, Temperature Range High=+125°C, Temperature Range Low=-55°C, Tolerance=10%, Voltage=50V, Automotive=No, Category=Cap, ComponentLink2Description=Datasheet, ComponentLink2URL=https://content.kemet.com/datasheets/KEM_C1013_X7R_FT-CAP_SMD.pdf, Device Class L1="Passive Components", Device Class L2=Capacitors, Device Class L3="Ceramic Capacitors", Digikey Description="CAP CER 0.1UF 50V X7R 0603", Height=0.95mm, Ipc Land Pattern Name=CAPC16080X80, Lead Free=Yes, Material=Ceramic, Mouser Description="Capacitor; Ceramic; Cap 0.1uF; Tol+10%; SMT; Flexible Termination; Vol-Rtg 50V; TR", Octopart=https://octopart.com/c0603x104k5ractu-kemet-9145062, RoHS=TRUE, Voltage Rating=50V
C34 C35 C36 C37: library part CMP-1038-02235-1, "C1210C474K5RACTU", Case-EIA=1210, Case-Metric=3225, Rated Voltage="35 V", Tolerance=Â±20%, Max Thickness="2.1 mm", Technology=SMT
C38 C39 C40 C41: library part CMP-1038-02235-1, "C1210C106K3RACTU", Case-EIA=1210, Case-Metric=3225, Rated Voltage="35 V", Tolerance=Â±20%, Max Thickness="2.1 mm", Technology=SMT
D1 D5: library part NZL5V6ATT1, "124-1110", Manufacturer="On Semiconductor", Supplier Part Number 1=NZL5V6ATT1OS-ND, ComponentLink1Description="Manufacturer URL", ComponentLink1URL=http://www.onsemi.com/, ComponentLink2Description=Datasheet, ComponentLink2URL=http://www.onsemi.com/pub_link/Collateral/NZL5V6ATT1-D.PDF, ComponentLink3Description="Package Specification", ComponentLink3URL=http://www.onsemi.com/pub_link/Collateral/463-01.PDF, DatasheetVersion="Rev. 3", Direction=Unidirectional, IR Max (uA)=1, Mounting Technology="Surface Mount", PackageDescription="3-Pin Small Outline Transistor, Body 1.6 x 0.8 mm, Pitch 0.5 mm", PackageReference=SC-75-3-463-01, PackageVersion="Rev. F, 07/2005", Packing="Tape and Reel", PartNumber=NZL5V6ATT1, Supplier 1=Digi-Key, V(BR) Typ (V)=5.6
D2 D3 D4: library part CMP-1426-00010-1, "SMD mono-color Chip LED, WL-SMCW, Super Red", Color="Super Red", Manufacturer="Wuerth Elektronik", PartNumber=150080SS75000, ComponentLink1Description="Manufacturer URL", ComponentLink1URL=http://www.we-online.com, ComponentLink2Description=Datasheet, ComponentLink2URL=http://katalog.we-online.com/led/datasheet/150080SS75000.pdf, PackageReference=0805_A
D6 D7 D9 D11 D13 D15 D17 D18: library part 1N4148W-7-F, "DIODE GEN PURP 100V 300MA SOD123", Average Rectified Current=300mA, Capacitance=2pF, Current Rating=150mA, Forward Voltage=1.25V, Manufacturer 1=Diodes, Max Forward Surge Current (Ifsm)=2A, Max Operating Temperature=150°C, Max Repetitive Reverse Voltage (Vrrm)=100V, Min Operating Temperature=-65°C, Package Quantity=3000, Peak Reverse Current=1uA, Power Dissipation=400mW, Supplier Part Number 1=1N4148W-FDIDKR-ND, Voltage Rating (DC)=75V, ComponentLink1Description=https://datasheet.ciiva.com/911/ds30086-911734.pdf?src-supplier=Digi-Key, ComponentLink1URL=https://datasheet.ciiva.com/911/ds30086-911734.pdf?src-supplier=Digi-Key, ComponentLink2Description=https://datasheet.ciiva.com/911/ds30086-911735.pdf?src-supplier=Digi-Key, ComponentLink2URL=https://datasheet.ciiva.com/911/ds30086-911735.pdf?src-supplier=Digi-Key, ComponentLink3Description=https://datasheet.ciiva.com/911/ds30086-911736.pdf?src-supplier=Digi-Key, ComponentLink3URL=https://datasheet.ciiva.com/911/ds30086-911736.pdf?src-supplier=Digi-Key, ComponentLink4Description=https://datasheet.ciiva.com/8300/ds30086-8300392.pdf?src-supplier=Avnet, ComponentLink4URL=https://datasheet.ciiva.com/8300/ds30086-8300392.pdf?src-supplier=Avnet, ComponentLink5Description=https://datasheet.ciiva.com/25919/ds30086-25919609.pdf?src-supplier=Avnet+Europe, ComponentLink5URL=https://datasheet.ciiva.com/25919/ds30086-25919609.pdf?src-supplier=Avnet+Europe, ComponentLink6Description=https://datasheet.ciiva.com/22695/1915529-22695239.pdf?src-supplier=Element14, ComponentLink6URL=https://datasheet.ciiva.com/22695/1915529-22695239.pdf?src-supplier=Element14, ComponentLink7Description=https://datasheet.ciiva.com/1179/1915529-1179304.pdf?src-supplier=Element14, ComponentLink7URL=https://datasheet.ciiva.com/1179/1915529-1179304.pdf?src-supplier=Element14, ComponentLink8Description=https://datasheet.ciiva.com/4435/ds30086-4435128.pdf?src-supplier=Mouser, ComponentLink8URL=https://datasheet.ciiva.com/4435/ds30086-4435128.pdf?src-supplier=Mouser, ComponentLink9Description=https://datasheet.ciiva.com/15219/getdatasheetpartid-110030-15219548.pdf?src-supplier=Verical, ComponentLink9URL=https://datasheet.ciiva.com/15219/getdatasheetpartid-110030-15219548.pdf?src-supplier=Verical, ComponentLink10Description=https://datasheet.ciiva.com/8303/ds30086-8303197.pdf?src-supplier=Avnet, ComponentLink10URL=https://datasheet.ciiva.com/8303/ds30086-8303197.pdf?src-supplier=Avnet, Contact Plating=Tin,Matte, Element Configuration=Single, Forward Current=150mA, Height=1.25mm, Lead Free="Lead Free", Length=2.85mm, Manufacturer Part Number 1=1N4148W-7-F, Max Reverse Voltage (DC)=100V, Max Surge Current=2A, Mount="Surface Mount", Number of Pins=2, Output Current=150mA, Packaging="Tape and Reel", Peak Non-Repetitive Surge Current=2A, Polarity=Standard, Power Rating=400mW, Pricing 1="1=0.16000, 10=0.14600, 25=0.13880, 100=0.06110, 250=0.05868, 500=0.04800, 1000=0.03333 (USD)", Radiation Hardening=No, REACH SVHC="No SVHC", Recovery Time=4ns, Reverse Recovery Time=4ns, RoHS=Yes, Stock 1=3523690, Supplier 1=Digi-Key, Voltage=100V, Weight=0.000353oz, Width=1.7mm